# Altium PCB MODULE_4x100_Fx_V1.0.PcbDoc (part 1 of 3) (continued)
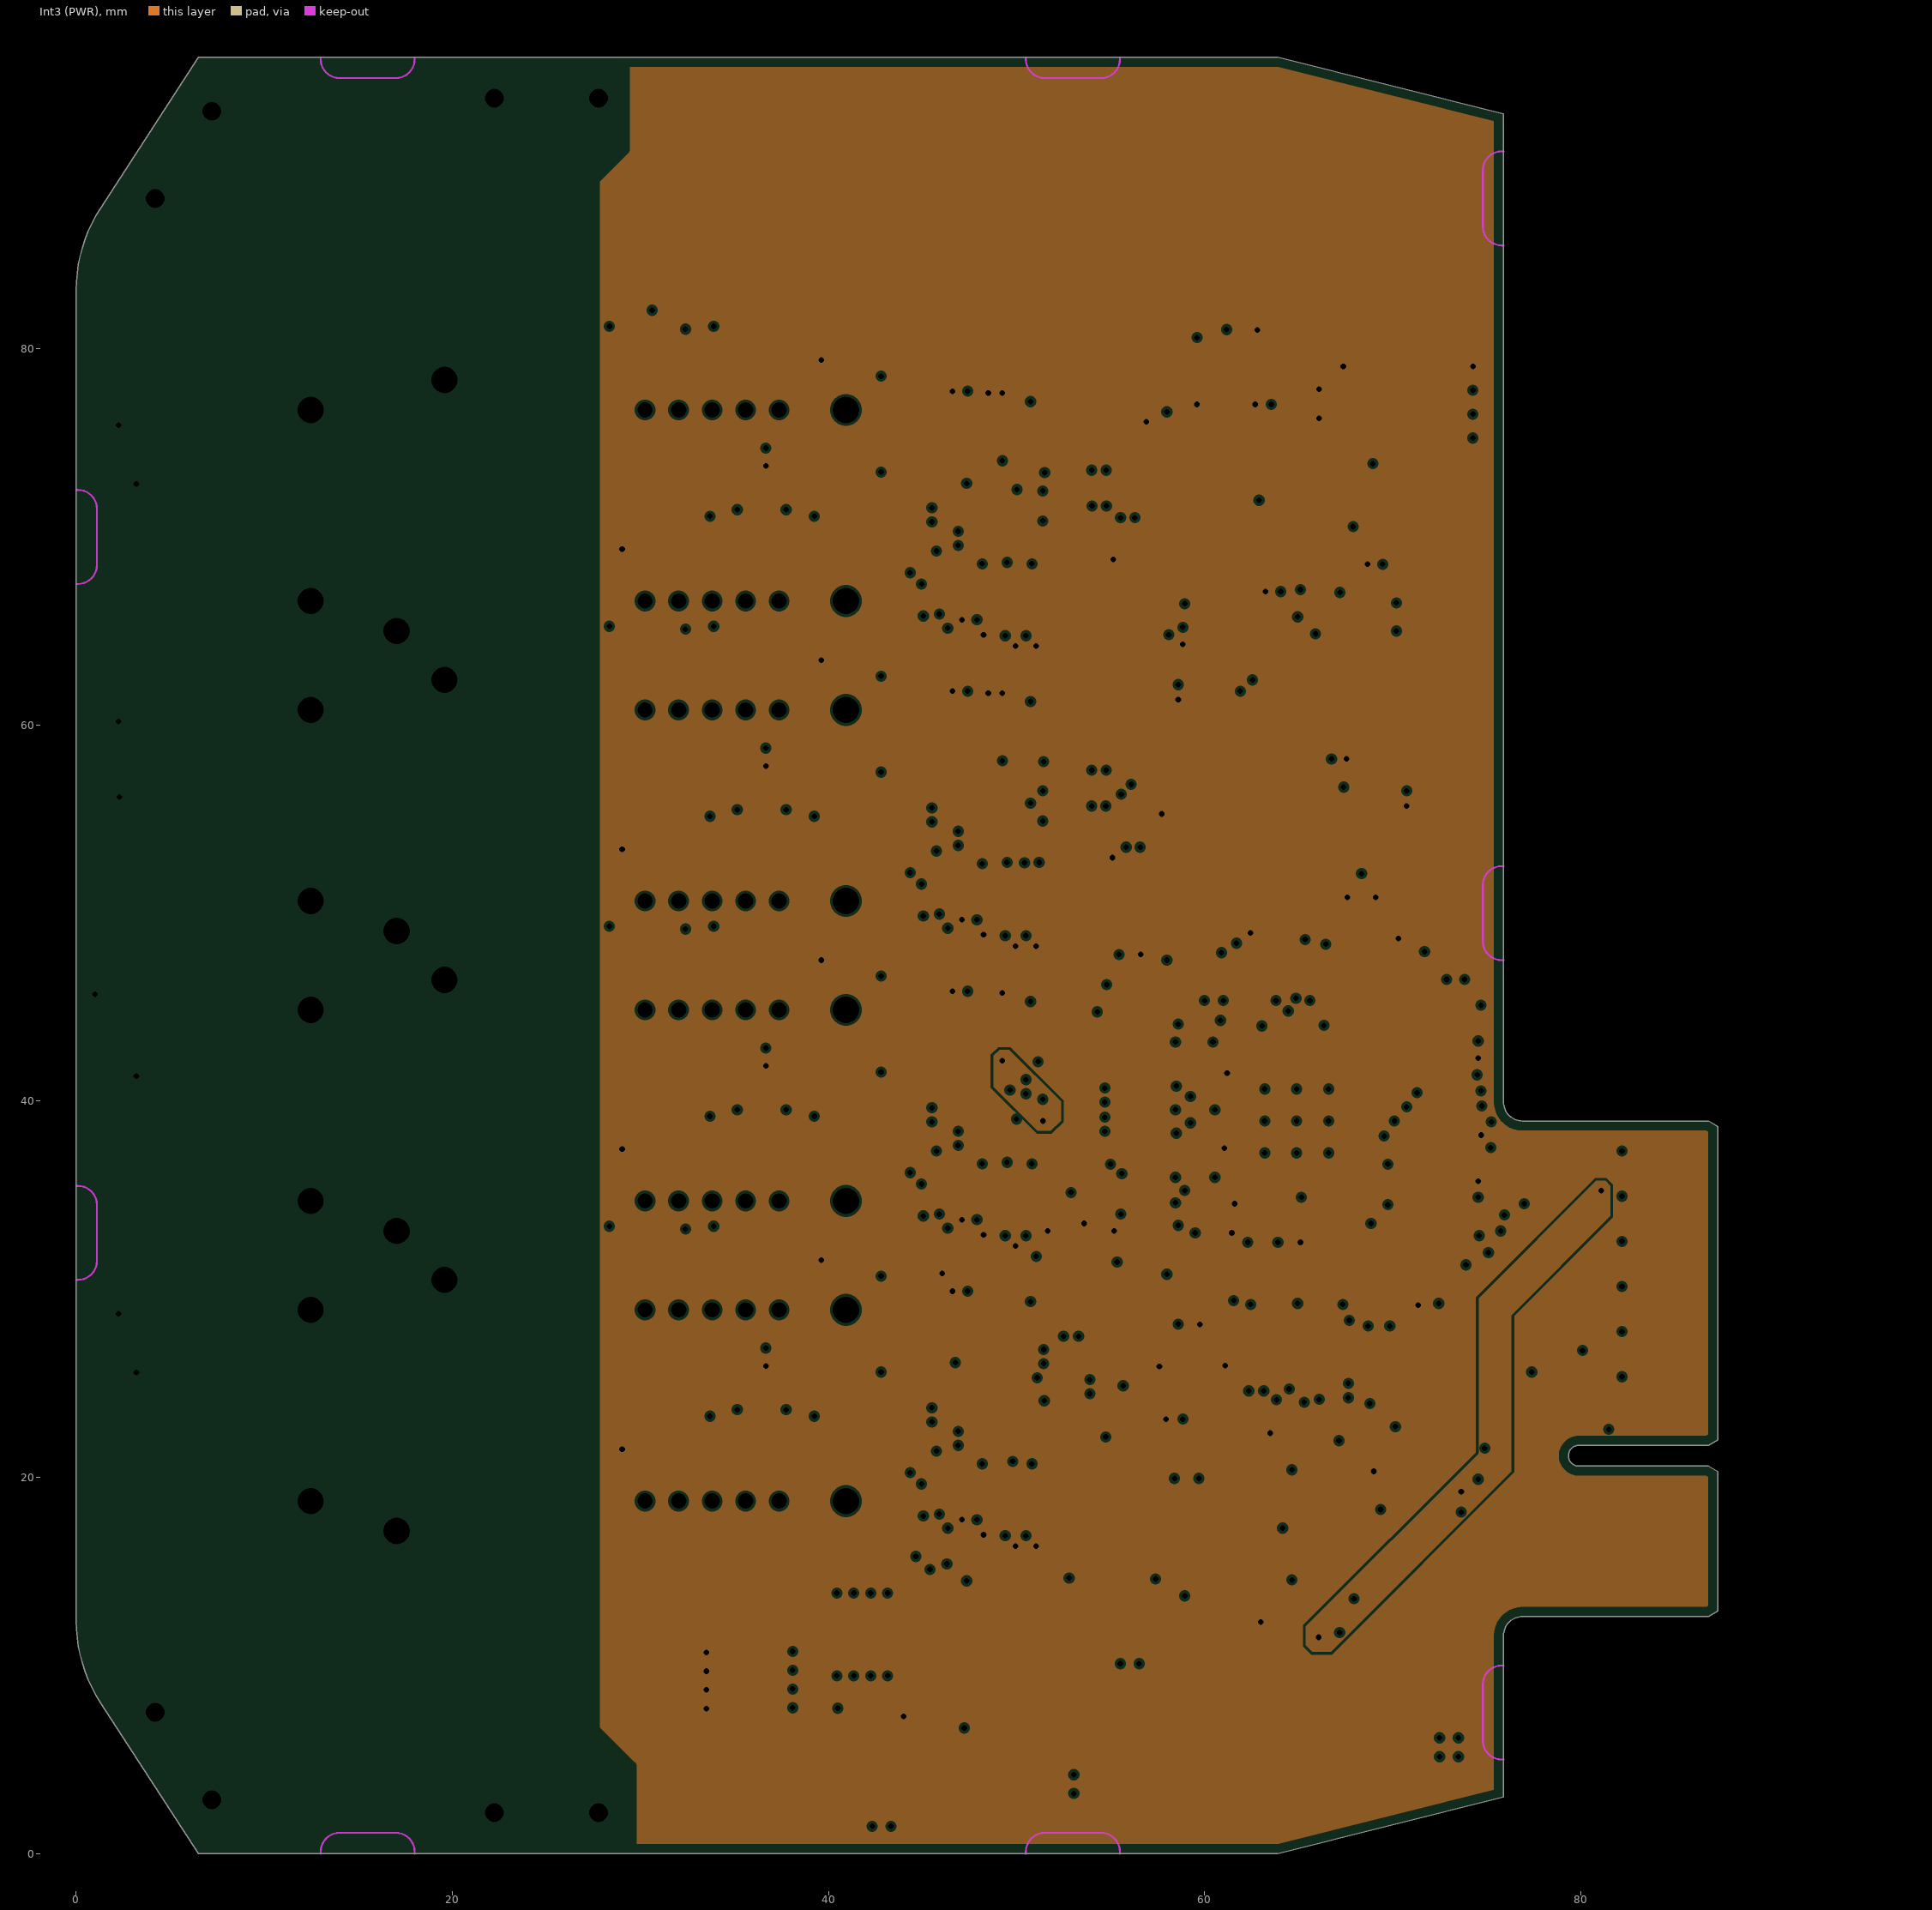
[diagram p4: Int3 (PWR), clearances drawn from the general rule]
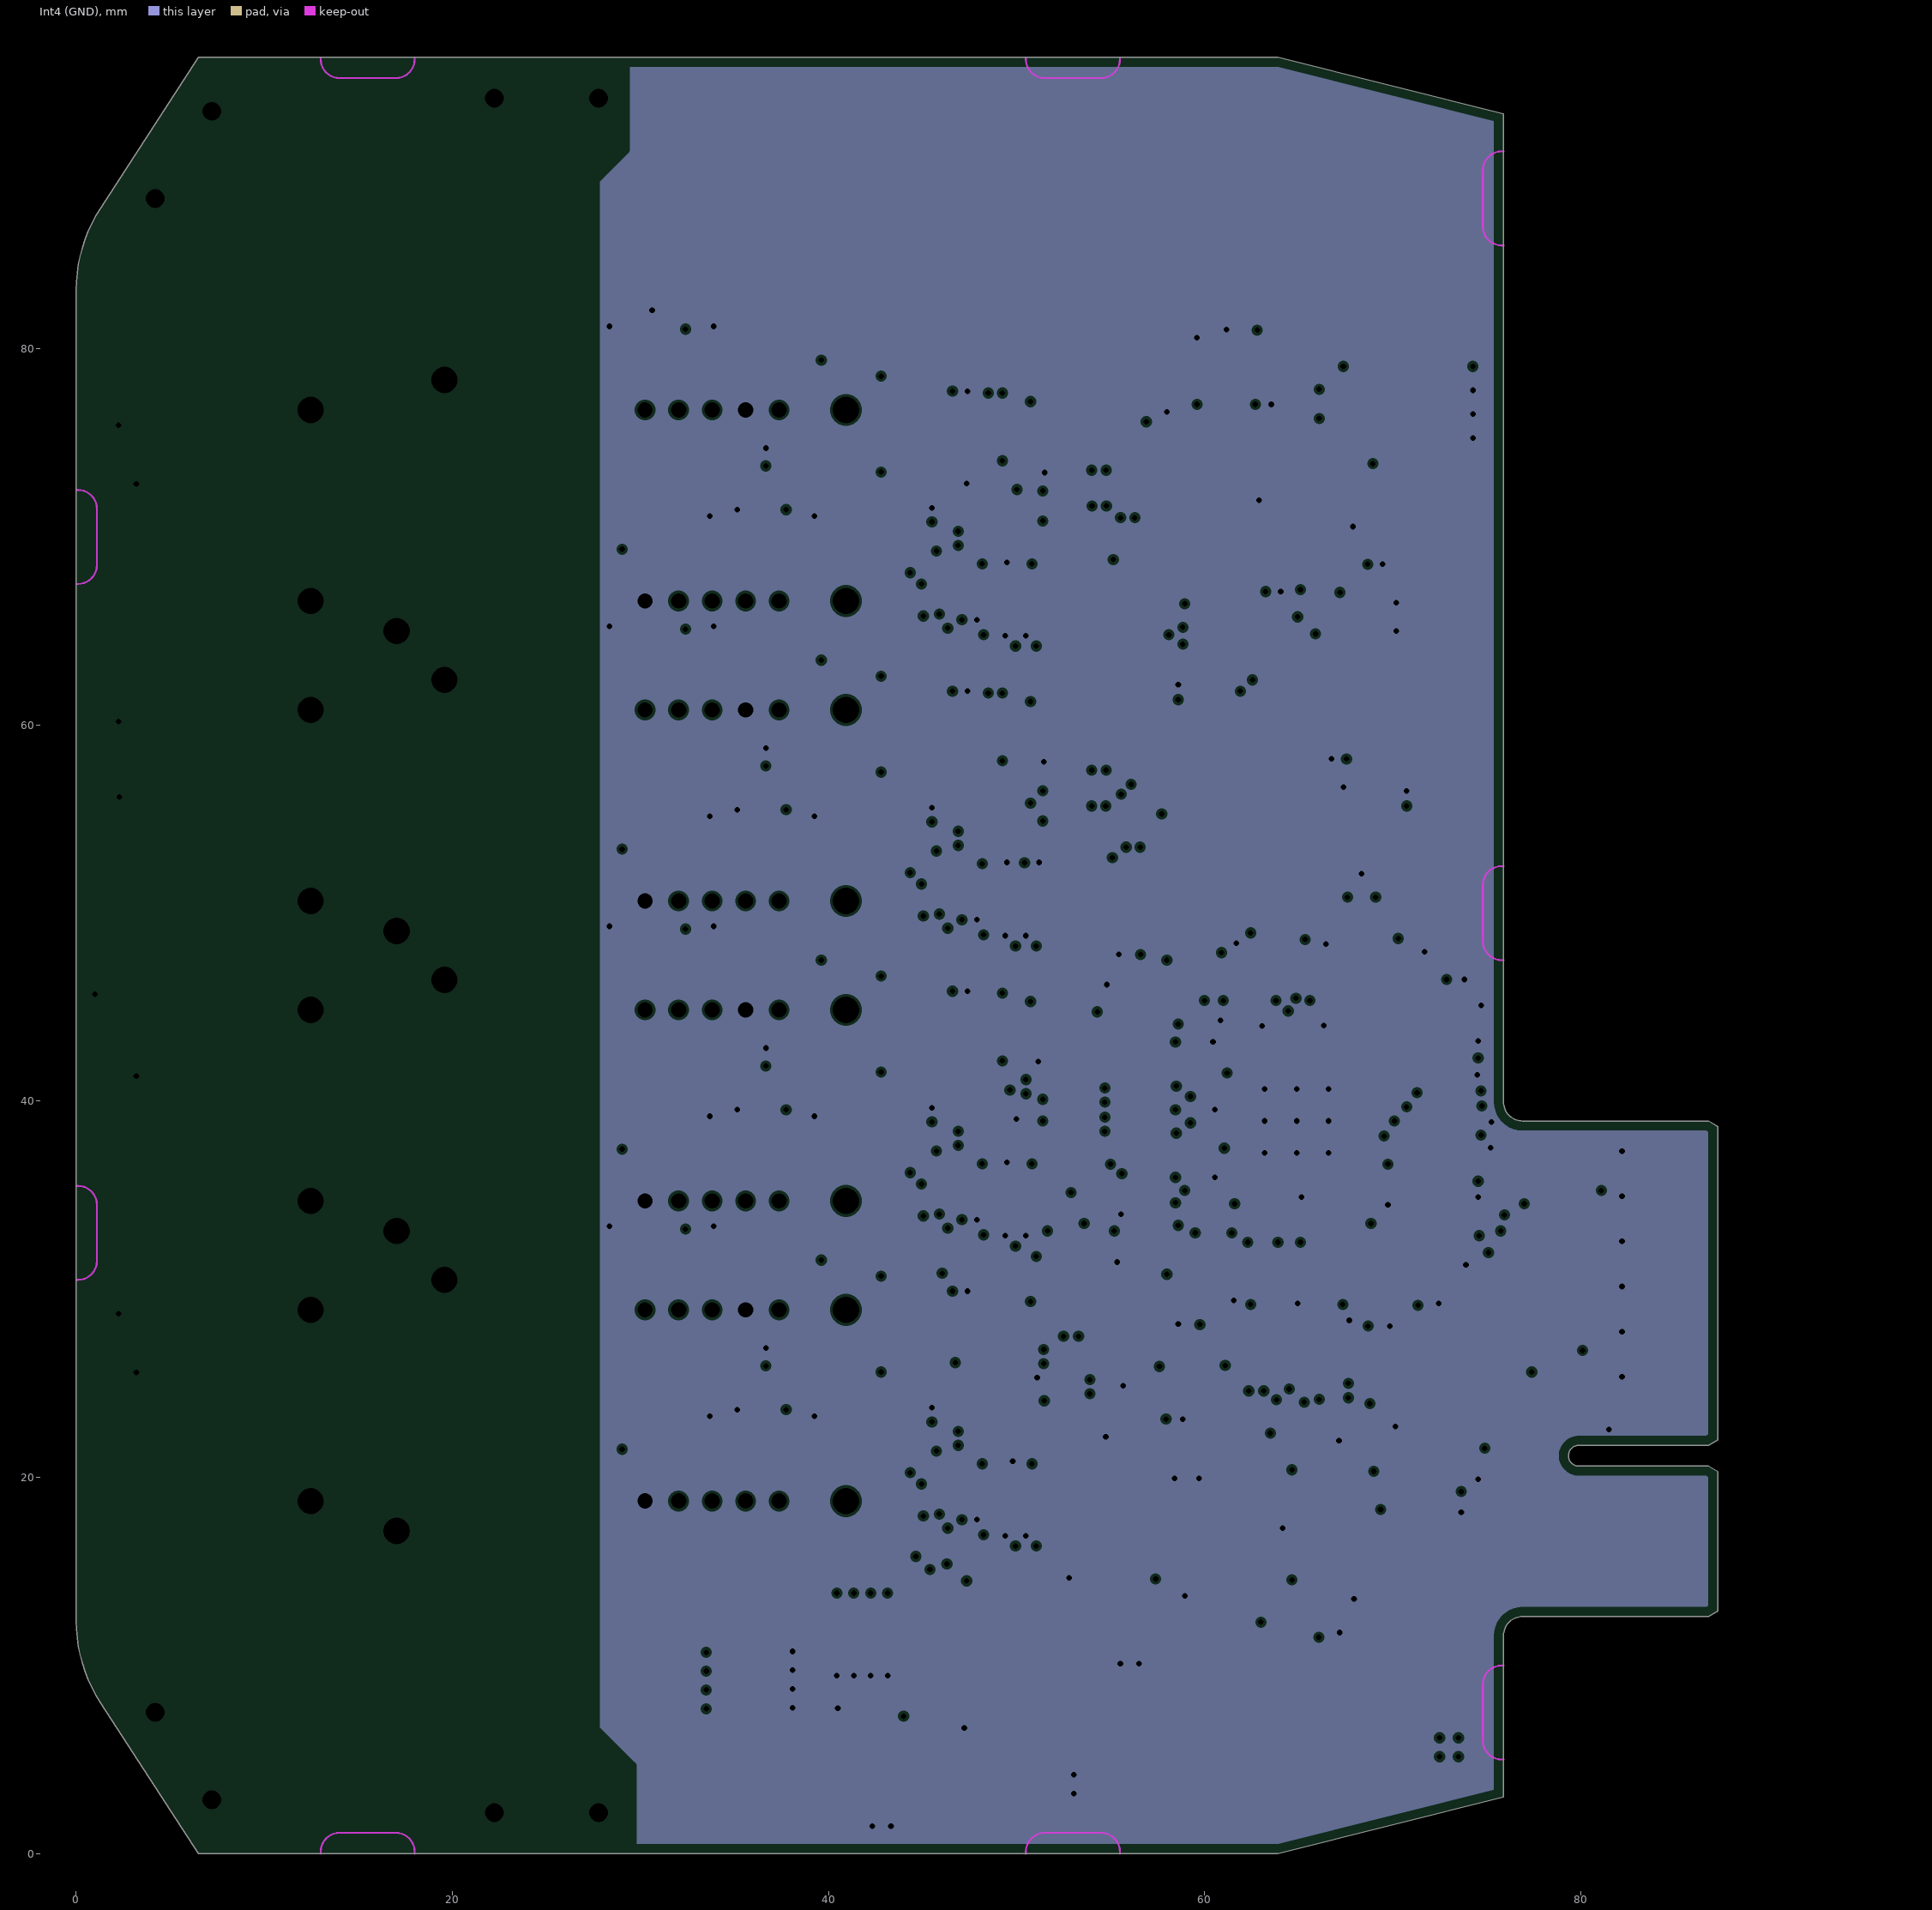
[diagram p5: Int4 (GND), clearances drawn from the general rule]
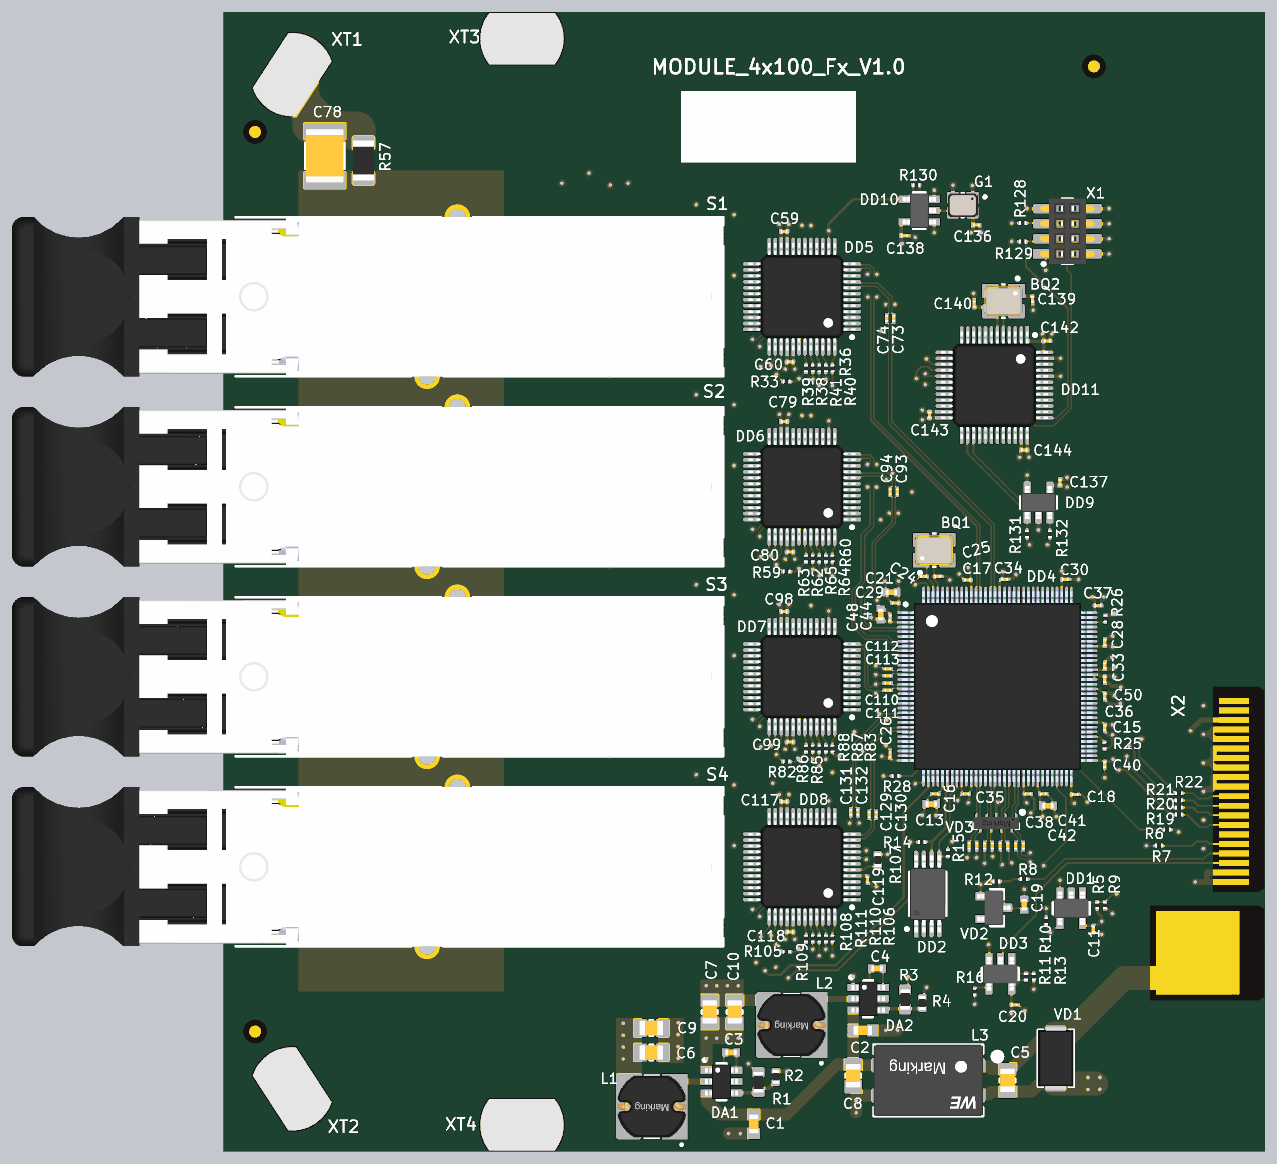
[diagram p8: 3D render of the assembled board from above, using the file's embedded part models]
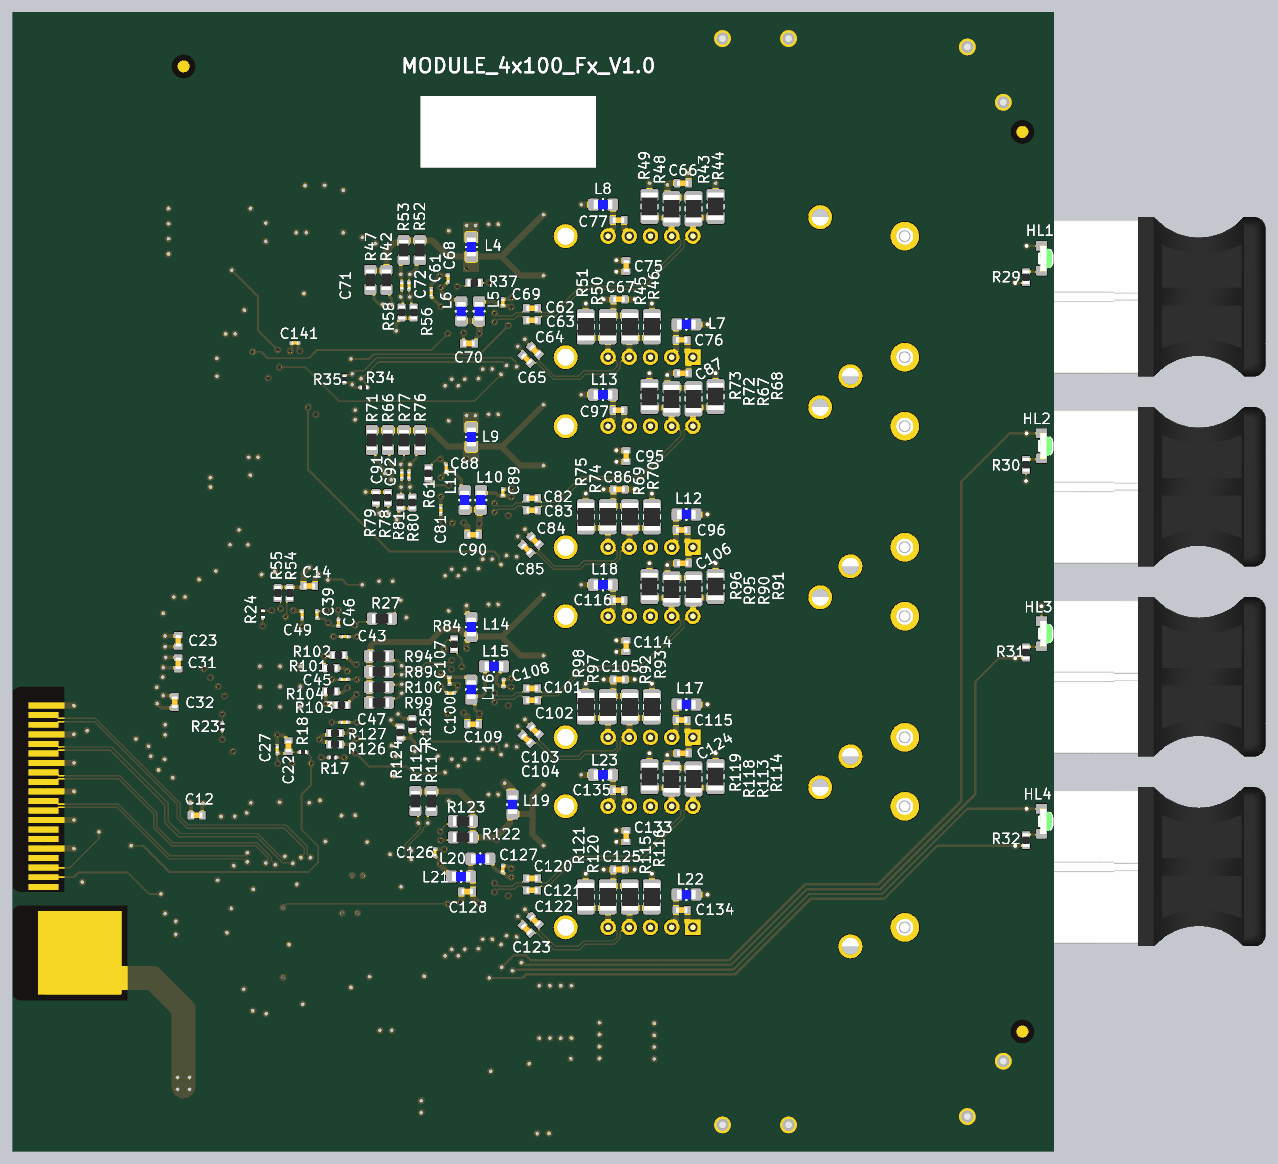
[diagram p9: 3D render of the assembled board from below, using the file's embedded part models]

## Layer stack, top to bottom
Top Solder: solder mask 0.0254, SM-001, Dk 4
Top Layer: signal copper 0.035
Dielectric 1: prepreg 0.05, PP-017, Dk 4.3
Dielectric 2: prepreg 0.05, PP-017, Dk 4.3
Int1 (GND): plane copper 0.035, net (Multiple Nets)
Dielectric 6: prepreg 0.071, PP-006, Dk 4.1
Int2 (SIG/PWR): signal copper 0.035
Dielectric 3: core 0.9, Core-039, Dk 4.8
Int3 (PWR): plane copper 0.035, net (Multiple Nets)
Dielectric 7: prepreg 0.071, PP-006, Dk 4.1
Int4 (GND): plane copper 0.035, net GND
Dielectric 4: prepreg 0.05, PP-017, Dk 4.3
Dielectric 5: prepreg 0.05, PP-017, Dk 4.3
Bottom Layer: signal copper 0.035
Bottom Solder: solder mask 0.0254, SM-001, Dk 4

## Board outline
6.5,0 1.291,8.022 cw(c8,12.379) 0,12.379 0,83.121 cw(c8,83.121) 1.291,87.478 6.5,95.5 63.9,95.5 75.9,92.5 75.9,39.95 ccw(c76.9,39.95) 76.9,38.95 86.8,38.95 87.3,38.65 87.3,22 86.8,21.7 79.9,21.7 ccw(c79.9,21.15) 79.9,20.6 86.8,20.6 87.3,20.3 87.3,12.9 86.8,12.6 76.9,12.6 ccw(c76.9,11.6) 75.9,11.6 75.9,3 63.9,0

## Design rules (kind name [scope] priority, off if disabled: settings)
BoardOutlineClearance BoardOutlineClearance_overlay [OnTopSilkscreen or OnBottomSilkscreen or IsKeepOut] p1: gap=0 ignorepadtopadclearanceinfootprint=FALSE
BoardOutlineClearance [All] p2: gap=0.5 ignorepadtopadclearanceinfootprint=FALSE except(0: Arc-SplitContinuation Track-SplitContinuation Poly-SplitContinuation Region-OutlineEdge Region-CavityEdge Region-CutoutEdge Region-SplitContinuation)
Clearance Clearance_Chassis [InNet('SHIELD')] p1: gap=0.5 ignorepadtopadclearanceinfootprint=FALSE
Clearance [All] p2: gap=0.1 ignorepadtopadclearanceinfootprint=FALSE except(0.15: Arc-Poly Track-Poly SMDPad-Poly THPad-Poly Via-Poly Fill-Poly Poly-Poly Poly-Region Poly-Text Poly-Hole)
ComponentClearance [All] p1: gap=0.2 collisioncheckmode=3 verticalgap=0.2 showdistances=FALSE
DiffPairsRouting [All] p1: maxlimit=0.5 minlimit=0.1 mostfreqgap=0.15 toplayer_maxgap=0.3 toplayer_prefgap=0.149 toplayer_minwidth=0.1 toplayer_maxwidth=0.5 toplayer_prefwidth=0.119 midlayer1_minwidth=0.1 midlayer1_maxwidth=0.5 midlayer1_prefwidth=0.15 bottomlayer_maxgap=0.3 bottomlayer_prefgap=0.149 bottomlayer_minwidth=0.1 bottomlayer_maxwidth=0.5 bottomlayer_prefwidth=0.119 maxuncoupledlength=12.7
HoleSize [All] p1: absolutevalues=TRUE maxlimit=20 minlimit=0.2 maxpercent=80.000 minpercent=20.000
HoleToHoleClearance [All] p1: gap=0.25 allowstackedmicrovias=TRUE
MatchedLengths MatchLengths_xSignals_X2_DD4 [InxSignalClass('xSignals_X2_DD4_MatchLengthsClass')] p1: tolerance=0.5 checknetsindiffpair=FALSE checkdiffpairvsdiffpair=TRUE checkxsignals=TRUE checkothers=TRUE
MinimumAnnularRing [All] p1: minimumring=0.15
MinimumSolderMaskSliver [All] p1: minsoldermaskwidth=0.06
PlaneClearance [All] p1: clearance=0.15
PlaneConnect [All] p1: pad.planeconnectstyle=Relief pad.reliefexpansion=0.2 pad.reliefentries=4 pad.reliefconductorwidth=0.4 pad.reliefairgap=0.25 via.planeconnectstyle=Direct via.reliefexpansion=0.5 via.reliefentries=4 via.reliefconductorwidth=0.25 via.reliefairgap=0.25
PolygonConnect [All] p1: thpad.connectstyle=Relief thpad.reliefconductorwidth=0.25 thpad.reliefentries=4 thpad.polygonreliefangle="90 Angle" thpad.airgapwidth=0.25 smdpad.connectstyle=Relief smdpad.reliefconductorwidth=0.25 smdpad.reliefentries=4 smdpad.polygonreliefangle="90 Angle" smdpad.airgapwidth=0.25 via.connectstyle=Direct via.reliefconductorwidth=0.25 via.reliefentries=4 via.polygonreliefangle="90 Angle" via.airgapwidth=0.25
RoutingCorners [All] p1: cornerstyle=45-Degree minsetback=2 maxsetback=2
RoutingVias [All] p1: holewidth=0.25 width=0.55 viastyle="Through Hole" minholewidth=0.2 minwidth=0.5 maxholewidth=2 maxwidth=5
SilkToSilkClearance [All] p1: silktosilkclearance=0.1
SilkToSolderMaskClearance [IsPad] p1: minsilkscreentomaskgap=0.05 clearancetoexposedcopper=TRUE
SolderMaskExpansion [All] p1: expansion=0.07 istentingtop=FALSE
Width [All] p1: maxlimit=20 minlimit=0.1 preferedwidth=0.15
20 further rules are at their usual default settings.

## Classes and differential pairs
net class P3_Fx: PORT3_FIBER_RX_N PORT3_FIBER_RX_P PORT3_FIBER_TX_N PORT3_FIBER_TX_P
net class P2_Fx: PORT2_FIBER_RX_N PORT2_FIBER_RX_P PORT2_FIBER_TX_N PORT2_FIBER_TX_P
net class P1_Fx: PORT1_FIBER_RX_N PORT1_FIBER_RX_P PORT1_FIBER_TX_N PORT1_FIBER_TX_P
net class P0_Fx: PORT0_FIBER_RX_N PORT0_FIBER_RX_P PORT0_FIBER_TX_N PORT0_FIBER_TX_P
component class P3_DUAL_MEDIA: C117 C118 C119 C120 C121 C122 C123 C124 C125 C126 C127 C128 C129 C130 C131 C132 C133 C134 C135 DD8 L19 L20 L21 L22 L23 R105 R106 R107 R108 R109 R110 R111 R112 R113 R114 R115 R116 R117 R118 R119 R120 R121 R122 R123 R124 R125 R126 R127 S4
component class P2_DUAL_MEDIA: C98 C99 C100 C101 C102 C103 C104 C105 C106 C107 C108 C109 C110 C111 C112 C113 C114 C115 C116 DD7 L14 L15 L16 L17 L18 R82 R83 R84 R85 R86 R87 R88 R89 R90 R91 R92 R93 R94 R95 R96 R97 R98 R99 R100 R101 R102 R103 R104 S3
component class P1_DUAL_MEDIA: C79 C80 C81 C82 C83 C84 C85 C86 C87 C88 C89 C90 C91 C92 C93 C94 C95 C96 C97 DD6 L9 L10 L11 L12 L13 R59 R60 R61 R62 R63 R64 R65 R66 R67 R68 R69 R70 R71 R72 R73 R74 R75 R76 R77 R78 R79 R80 R81 S2
component class P0_DUAL_MEDIA: C59 C60 C61 C62 C63 C64 C65 C66 C67 C68 C69 C70 C71 C72 C73 C74 C75 C76 C77 C78 DD5 L4 L5 L6 L7 L8 R33 R34 R35 R36 R37 R38 R39 R40 R41 R42 R43 R44 R45 R46 R47 R48 R49 R50 R51 R52 R53 R54 R55 R56 R57 R58 S1
component class CONTROL: BQ2 C136 C137 C138 C139 C140 C141 C142 C143 C144 DD9 DD10 DD11 G1 R128 R129 R130 R131 R132 X1
differential pair PORT3_FIBER_TX: +PORT3_FIBER_TX_P -PORT3_FIBER_TX_N
differential pair PORT3_FIBER_RX: +PORT3_FIBER_RX_P -PORT3_FIBER_RX_N
differential pair PORT2_FIBER_TX: +PORT2_FIBER_TX_P -PORT2_FIBER_TX_N
differential pair PORT2_FIBER_RX: +PORT2_FIBER_RX_P -PORT2_FIBER_RX_N
differential pair PORT1_FIBER_TX: +PORT1_FIBER_TX_P -PORT1_FIBER_TX_N
differential pair PORT1_FIBER_RX: +PORT1_FIBER_RX_P -PORT1_FIBER_RX_N
differential pair PORT0_FIBER_TX: +PORT0_FIBER_TX_P -PORT0_FIBER_TX_N
differential pair PORT0_FIBER_RX: +PORT0_FIBER_RX_P -PORT0_FIBER_RX_N
differential pair P3_OUT: +P3_OUT_P -P3_OUT_N
differential pair P3_IN: +P3_IN_P -P3_IN_N
differential pair P2_OUT: +P2_OUT_P -P2_OUT_N
differential pair P2_IN: +P2_IN_P -P2_IN_N
differential pair P1_OUT: +P1_OUT_P -P1_OUT_N
differential pair P1_IN: +P1_IN_P -P1_IN_N
differential pair P0_OUT: +P0_OUT_P -P0_OUT_N
differential pair P0_IN: +P0_IN_P -P0_IN_N
differential pair PORT4_TXRX_D: +PORT4_TXRX_D_P -PORT4_TXRX_D_N
differential pair PORT4_TXRX_C: +PORT4_TXRX_C_P -PORT4_TXRX_C_N
differential pair PORT4_TXRX_B: +PORT4_TXRX_B_P -PORT4_TXRX_B_N
differential pair PORT4_TXRX_A: +PORT4_TXRX_A_P -PORT4_TXRX_A_N
differential pair PORT3_TX: +PORT3_TX_P -PORT3_TX_N
differential pair PORT3_RX: +PORT3_RX_P -PORT3_RX_N
differential pair PORT2_TX: +PORT2_TX_P -PORT2_TX_N
differential pair PORT2_RX: +PORT2_RX_P -PORT2_RX_N
differential pair PORT1_TX: +PORT1_TX_P -PORT1_TX_N
differential pair PORT1_RX: +PORT1_RX_P -PORT1_RX_N
differential pair PORT0_TX: +PORT0_TX_P -PORT0_TX_N
differential pair PORT0_RX: +PORT0_RX_P -PORT0_RX_N
differential pair 1G_TXRX_D: +1G_TXRX_D_P -1G_TXRX_D_N
differential pair 1G_TXRX_C: +1G_TXRX_C_P -1G_TXRX_C_N
differential pair 1G_TXRX_B: +1G_TXRX_B_P -1G_TXRX_B_N
differential pair 1G_TXRX_A: +1G_TXRX_A_P -1G_TXRX_A_N

## Components (designator, comment, footprint, x,y, rotation, side; value= is the part's Value field where it differs from the comment)
1 "Comment" Fiducial 2.6,85.5 r0 top locked
2 "Comment" Fiducial 73,91 r0 top locked
3 "Comment" Fiducial 73,91 r180 bottom locked
4 "Comment" Fiducial 2.6,85.5 r180 bottom locked
5 "Comment" Fiducial 2.6,10 r180 bottom locked
BQ1 "25 MHz" "3225 Crystal" 59.6,50.4 r0 top
BQ2 "12 МГц" "3225 Crystal" 65.4,71.3 r180 top
C1 "10 мкФ" CAP0603(1608x08)N 44.45,2.25 r270 top
C2 "10 мкФ" CAP0603(1608x08)N 53.6,10.1 r0 top
C3 "0,1 мкФ" CAP0402(1005x05)N 42.55,8.25 r0 top
C4 "0,1 мкФ" CAP0402(1005x05)N 54.8,15.3 r0 top
C5 "0,1 мкФ" CAP0805(2012x125)N 65.75,5.9 r90 top
C6 "22 мкФ" CAP0805(2012x125)N 35.852,8.248 r0 top
C7 "22 мкФ" CAP0805(2012x125)N 40.75,11.65 r270 top
C8 "0,1 мкФ" CAP0805(2012x125)N 52.8,6.3 r90 top
C9 "22 мкФ" CAP0805(2012x125)N 35.852,10.298 r0 top
C10 "22 мкФ" CAP0805(2012x125)N 42.85,11.65 r270 top
C11 "0,1 мкФ" CAP0201(0603x03)N 72.95,18.6 r270 top
C12 "10 мкФ" CAP0402(1005x05)N 71.9,28.15 r180 bottom
C13 "10 мкФ" CAP0402(1005x05)N 59.35,29.1 r180 top
C14 "10 мкФ" CAP0402(1005x05)N 62.45,47.4 r0 bottom
C15 "0,1 мкФ" CAP0201(0603x03)N 73.9,35.5 r90 top
C16 "0,1 мкФ" CAP0201(0603x03)N 59.7,29.95 r180 top
C17 "0,1 мкФ" CAP0201(0603x03)N 62.4,47.9 r0 top
C18 "0,1 мкФ" CAP0201(0603x03)N 71.41,29.9 r180 top
C19 "470 пФ" CAP0402(1005x05)N 67.15,20.65 r270 top value="470 пФ 0402"
C20 "0,1 мкФ" CAP0201(0603x03)N 66.35,12.25 r0 top
C21 "10 мкФ" CAP0402(1005x05)N 56,46.87 r180 top
C22 "10 мкФ" CAP0402(1005x05)N 64.2,33.95 r270 bottom
C23 "10 мкФ" CAP0402(1005x05)N 73.45,42.8 r270 bottom
C24 "22 пФ" CAP0201(0603x03)N 58.7,48.2 r0 top
C25 "22 пФ" CAP0201(0603x03)N 59.9,48.2 r180 top
C26 "0,1 мкФ" CAP0201(0603x03)N 55.9,33.25 r90 top
C27 "0,1 мкФ" CAP0201(0603x03)N 65.15,33.65 r270 bottom
C28 "0,1 мкФ" CAP0201(0603x03)N 73.9,42.65 r270 top
C29 "0,1 мкФ" CAP0201(0603x03)N 56.35,45.97 r180 top
C30 "0,1 мкФ" CAP0201(0603x03)N 70.6,47.95 r180 top
C31 "10 мкФ" CAP0402(1005x05)N 73.45,40.9 r270 bottom
C32 "10 мкФ" CAP0402(1005x05)N 73.75,37.65 r270 bottom
C33 "0,1 мкФ" CAP0201(0603x03)N 73.9,40.7 r270 top
C34 "0,1 мкФ" CAP0201(0603x03)N 65.5,47.95 r180 top
C35 "0,1 мкФ" CAP0201(0603x03)N 62.25,29.95 r180 top
C36 "0,1 мкФ" CAP0201(0603x03)N 73.9,38.15 r270 top
C37 "0,1 мкФ" CAP0201(0603x03)N 73.35,45.75 r180 top
C38 "0,1 мкФ" CAP0201(0603x03)N 67.45,29.95 r0 top
C39 "0,1 мкФ" CAP0201(0603x03)N 61.8,45 r90 bottom
C40 "0,1 мкФ" CAP0201(0603x03)N 73.9,32.4 r270 top
C41 "0,1 мкФ" CAP0201(0603x03)N 68.75,29.95 r180 top
C42 "10 мкФ" CAP0402(1005x05)N 69.15,28.95 r180 top
C43 "0,1 мкФ" CAP0201(0603x03)N 59.45,43.15 r180 bottom
C44 "0,1 мкФ" CAP0201(0603x03)N 55.9,44.7 r270 top
C45 "0,1 мкФ" CAP0201(0603x03)N 59.5,39.55 r180 bottom
C46 "0,1 мкФ" CAP0201(0603x03)N 60,44.3 r90 bottom
C47 "0,1 мкФ" CAP0201(0603x03)N 59.5,35.95 r180 bottom
C48 "10 мкФ" CAP0402(1005x05)N 55.1,45 r270 top
C49 "0,1 мкФ" CAP0201(0603x03)N 63.05,45 r90 bottom
C50 "0,1 мкФ" CAP0201(0603x03)N 73.9,39.55 r90 top
C51 "0,1 мкФ" CAP0201(0603x03)N 62.525,25.575 r270 top
C52 "0,1 мкФ" CAP0201(0603x03)N 63.825,25.575 r270 top
C53 "0,1 мкФ" CAP0201(0603x03)N 65.125,25.575 r270 top
C54 "0,1 мкФ" CAP0201(0603x03)N 66.425,25.575 r270 top
C55 "0,1 мкФ" CAP0201(0603x03)N 63.175,25.575 r270 top
C56 "0,1 мкФ" CAP0201(0603x03)N 64.475,25.575 r270 top
C57 "0,1 мкФ" CAP0201(0603x03)N 65.775,25.575 r270 top
C58 "0,1 мкФ" CAP0201(0603x03)N 67.075,25.575 r270 top
C59 "0,1 мкФ" CAP0201(0603x03)N 47,77.15 r180 top
C60 "0,1 мкФ" CAP0201(0603x03)N 47.5,66.2 r180 top
C61 "0,1 мкФ" CAP0201(0603x03)N 52.2,72 r270 bottom
C62 "0,1 мкФ" CAP0402(1005x05)N 43.75,70.7 r0 bottom
C63 "0,1 мкФ" CAP0402(1005x05)N 43.75,69.7 r0 bottom
C64 "0,1 мкФ" CAP0402(1005x05)N 43.509,67.159 r45 bottom
C65 "0,1 мкФ" CAP0402(1005x05)N 44.216,66.451 r45 bottom
C66 "0,1 мкФ" CAP0402(1005x05)N 31.1,81.2 r180 bottom
C67 "0,1 мкФ" CAP0402(1005x05)N 36.45,71.45 r180 bottom
C68 "0,1 мкФ" CAP0201(0603x03)N 50.8,73.2 r90 bottom
C69 "0,1 мкФ" CAP0201(0603x03)N 46.2,71.2 r90 bottom
C70 "10 мкФ" CAP0402(1005x05)N 49.05,67.75 r180 bottom